# KiCad board Floppy Board v3.1.kicad_pcb (continued)
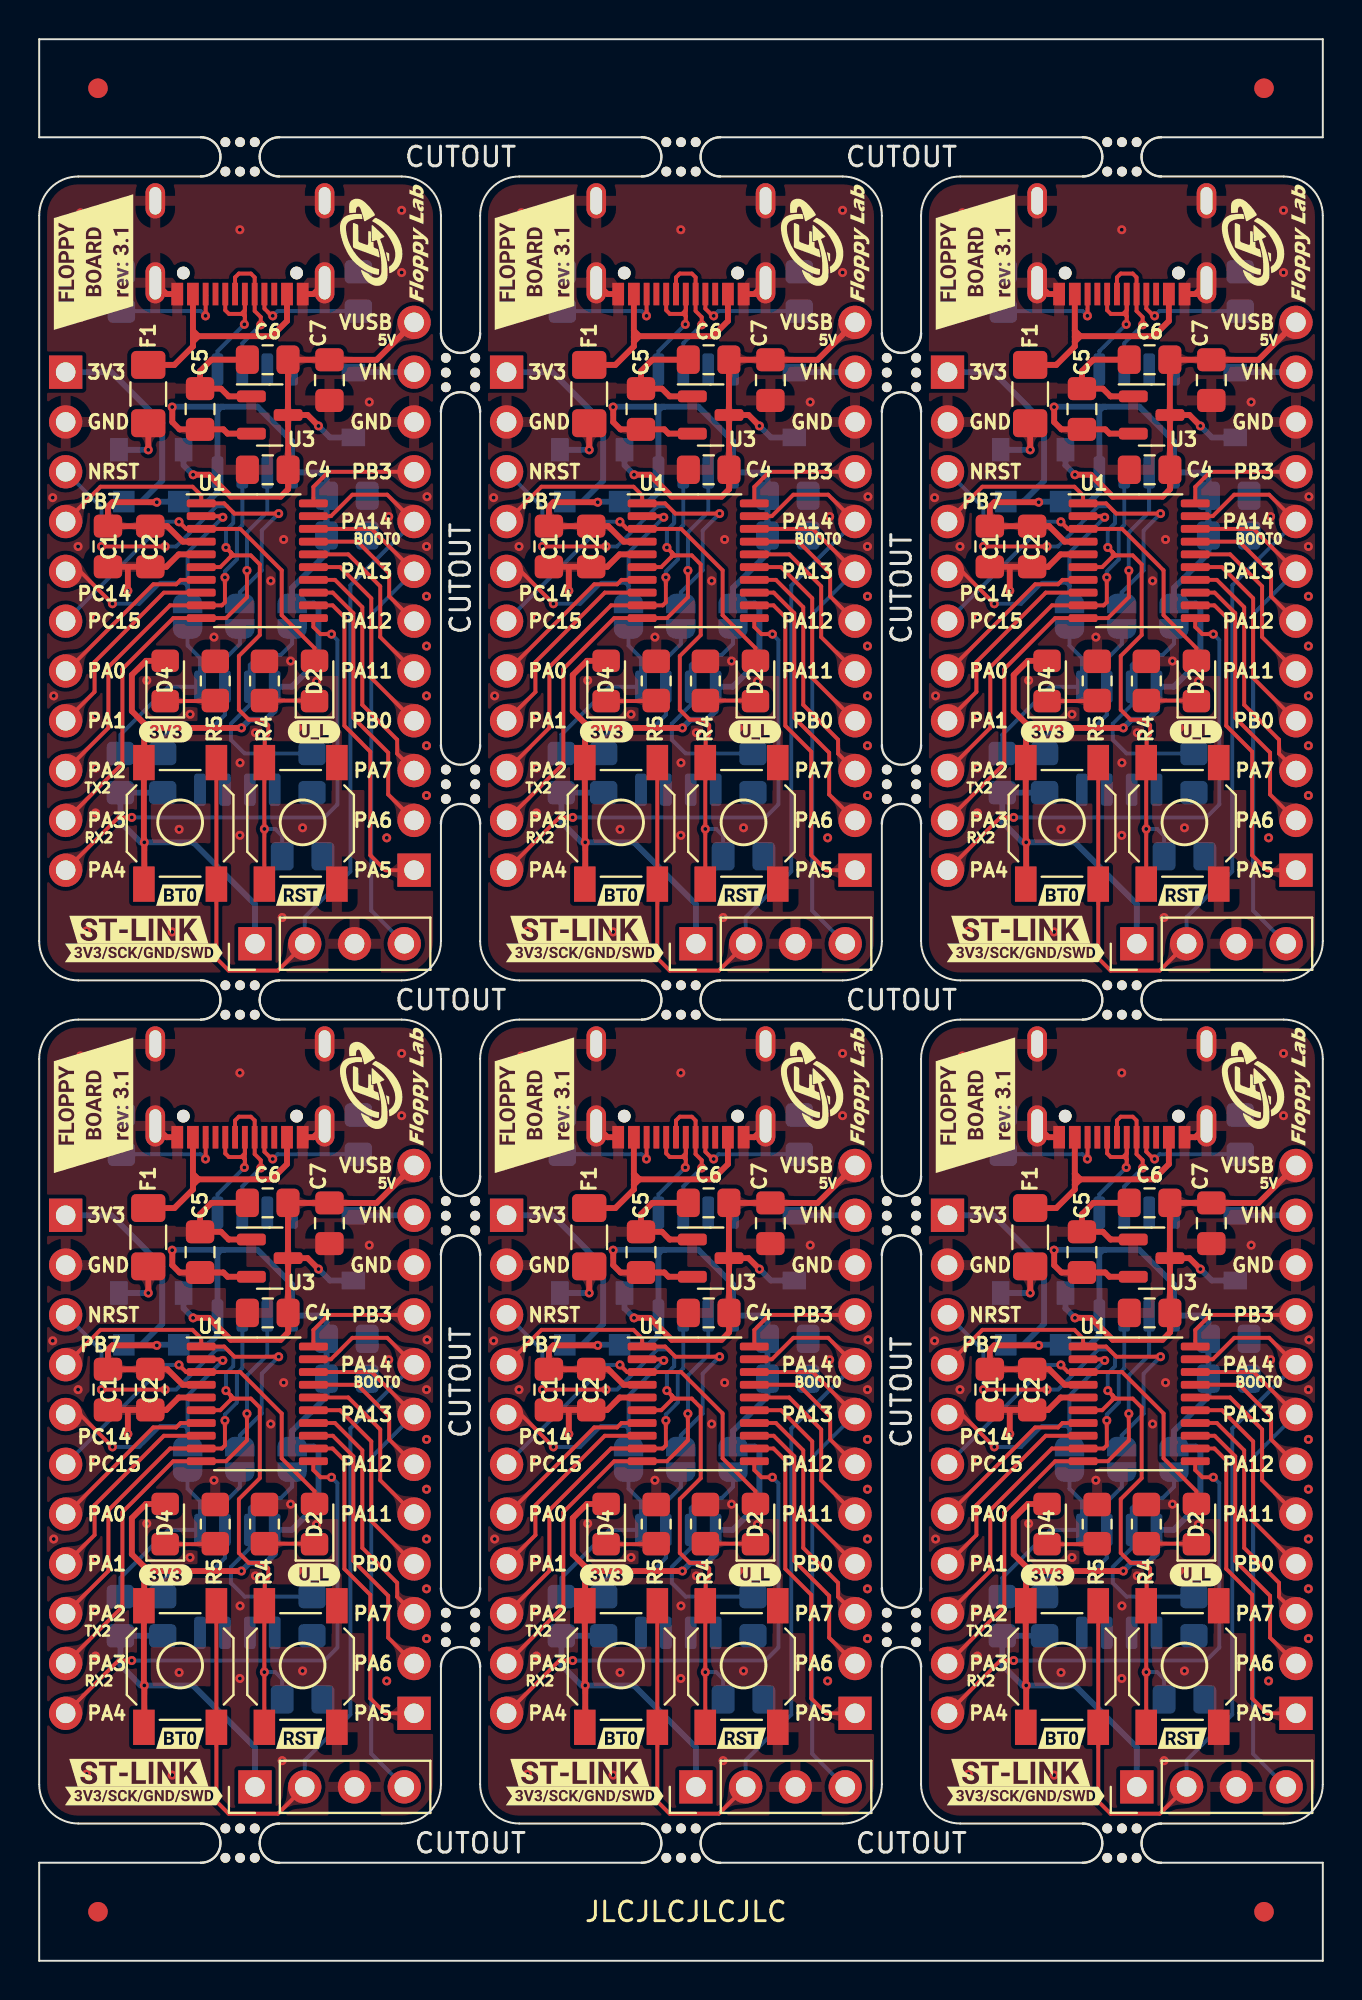
[diagram p0: board, top side]
## Placement (name value [footprint] x y rotation side) (continued)
R1#6  10k  [R_0805_2012Metric_Pad1.20x1.40mm_HandSolder]  58.92 17.57 270 bottom
R2  5.1k  [R_0805_2012Metric_Pad1.20x1.40mm_HandSolder]  4.14 60.57 270 bottom
R2#2  5.1k  [R_0805_2012Metric_Pad1.20x1.40mm_HandSolder]  4.14 17.57 270 bottom
R2#3  5.1k  [R_0805_2012Metric_Pad1.20x1.40mm_HandSolder]  49.14 60.57 270 bottom
R2#4  5.1k  [R_0805_2012Metric_Pad1.20x1.40mm_HandSolder]  49.14 17.57 270 bottom
R2#5  5.1k  [R_0805_2012Metric_Pad1.20x1.40mm_HandSolder]  26.64 60.57 270 bottom
R2#6  5.1k  [R_0805_2012Metric_Pad1.20x1.40mm_HandSolder]  26.64 17.57 270 bottom
R3  5.1k  [R_0805_2012Metric_Pad1.20x1.40mm_HandSolder]  28.8 17.57 90 bottom
R3#2  5.1k  [R_0805_2012Metric_Pad1.20x1.40mm_HandSolder]  6.3 17.57 90 bottom
R3#3  5.1k  [R_0805_2012Metric_Pad1.20x1.40mm_HandSolder]  6.3 60.57 90 bottom
R3#4  5.1k  [R_0805_2012Metric_Pad1.20x1.40mm_HandSolder]  51.3 60.57 90 bottom
R3#5  5.1k  [R_0805_2012Metric_Pad1.20x1.40mm_HandSolder]  28.8 60.57 90 bottom
R3#6  5.1k  [R_0805_2012Metric_Pad1.20x1.40mm_HandSolder]  51.3 17.57 90 bottom
R4  1K  [R_0805_2012Metric_Pad1.20x1.40mm_HandSolder]  56.49 65.27 90 top
R4#2  1K  [R_0805_2012Metric_Pad1.20x1.40mm_HandSolder]  56.49 22.27 90 top
R4#3  1K  [R_0805_2012Metric_Pad1.20x1.40mm_HandSolder]  33.99 65.27 90 top
R4#4  1K  [R_0805_2012Metric_Pad1.20x1.40mm_HandSolder]  33.99 22.27 90 top
R4#5  1K  [R_0805_2012Metric_Pad1.20x1.40mm_HandSolder]  11.5 22.27 90 top
R4#6  1K  [R_0805_2012Metric_Pad1.20x1.40mm_HandSolder]  11.5 65.27 90 top
R5  1k  [R_0805_2012Metric_Pad1.20x1.40mm_HandSolder]  8.98 22.27 270 top
R5#2  1k  [R_0805_2012Metric_Pad1.20x1.40mm_HandSolder]  53.98 65.27 270 top
R5#3  1k  [R_0805_2012Metric_Pad1.20x1.40mm_HandSolder]  31.48 22.27 270 top
R5#4  1k  [R_0805_2012Metric_Pad1.20x1.40mm_HandSolder]  8.98 65.27 270 top
R5#5  1k  [R_0805_2012Metric_Pad1.20x1.40mm_HandSolder]  53.98 22.27 270 top
R5#6  1k  [R_0805_2012Metric_Pad1.20x1.40mm_HandSolder]  31.48 65.27 270 top
R6  5.1k  [R_0805_2012Metric_Pad1.20x1.40mm_HandSolder]  26.69 42.13 270 bottom
R6#2  5.1k  [R_0805_2012Metric_Pad1.20x1.40mm_HandSolder]  49.19 85.13 270 bottom
R6#3  5.1k  [R_0805_2012Metric_Pad1.20x1.40mm_HandSolder]  26.69 85.13 270 bottom
R6#4  5.1k  [R_0805_2012Metric_Pad1.20x1.40mm_HandSolder]  4.19 85.13 270 bottom
R6#5  5.1k  [R_0805_2012Metric_Pad1.20x1.40mm_HandSolder]  49.19 42.13 270 bottom
R6#6  5.1k  [R_0805_2012Metric_Pad1.20x1.40mm_HandSolder]  4.19 42.13 270 bottom
R7  5.1k  [R_0805_2012Metric_Pad1.20x1.40mm_HandSolder]  61.29 42.13 90 bottom
R7#2  5.1k  [R_0805_2012Metric_Pad1.20x1.40mm_HandSolder]  16.29 85.13 90 bottom
R7#3  5.1k  [R_0805_2012Metric_Pad1.20x1.40mm_HandSolder]  38.79 42.13 90 bottom
R7#4  5.1k  [R_0805_2012Metric_Pad1.20x1.40mm_HandSolder]  16.29 42.13 90 bottom
R7#5  5.1k  [R_0805_2012Metric_Pad1.20x1.40mm_HandSolder]  61.29 85.13 90 bottom
R7#6  5.1k  [R_0805_2012Metric_Pad1.20x1.40mm_HandSolder]  38.79 85.13 90 bottom
REF**  -  [Fiducial_1mm_Mask2mm]  3 95.5 0 top
REF**#2  -  [Fiducial_1mm_Mask2mm]  62.5 2.5 0 top
REF**#3  -  [Fiducial_1mm_Mask2mm]  62.5 95.5 0 top
REF**#4  -  [Fiducial_1mm_Mask2mm]  3 2.5 0 top
SW1  RESET_B  [SMD BUTTON 5.1x5.1]  58.34 15.01 270 top
SW1#2  RESET_B  [SMD BUTTON 5.1x5.1]  58.34 58.01 270 top
SW1#3  RESET_B  [SMD BUTTON 5.1x5.1]  13.34 58.01 270 top
SW1#4  RESET_B  [SMD BUTTON 5.1x5.1]  35.84 58.01 270 top
SW1#5  RESET_B  [SMD BUTTON 5.1x5.1]  13.34 15.01 270 top
SW1#6  RESET_B  [SMD BUTTON 5.1x5.1]  35.84 15.01 270 top
SW2  BOOT0/U_BUTT  [SMD BUTTON 5.1x5.1]  52.19 58.01 90 top
SW2#2  BOOT0/U_BUTT  [SMD BUTTON 5.1x5.1]  29.69 15.01 90 top
SW2#3  BOOT0/U_BUTT  [SMD BUTTON 5.1x5.1]  29.69 58.01 90 top
SW2#4  BOOT0/U_BUTT  [SMD BUTTON 5.1x5.1]  52.19 15.01 90 top
SW2#5  BOOT0/U_BUTT  [SMD BUTTON 5.1x5.1]  7.19 58.01 90 top
SW2#6  BOOT0/U_BUTT  [SMD BUTTON 5.1x5.1]  7.19 15.01 90 top
U1  STM32G03xxxxx  [TSSOP-20_4.4x6.5mm_P0.65mm]  56.13 28.4 0 top
U1#2  STM32G03xxxxx  [TSSOP-20_4.4x6.5mm_P0.65mm]  33.63 28.4 0 top
U1#3  STM32G03xxxxx  [TSSOP-20_4.4x6.5mm_P0.65mm]  33.63 71.4 0 top
U1#4  STM32G03xxxxx  [TSSOP-20_4.4x6.5mm_P0.65mm]  56.13 71.4 0 top
U1#5  STM32G03xxxxx  [TSSOP-20_4.4x6.5mm_P0.65mm]  11.13 28.4 0 top
U1#6  STM32G03xxxxx  [TSSOP-20_4.4x6.5mm_P0.65mm]  11.13 71.4 0 top
U2  AT24C32  [SOP-8_3.9x4.9mm_P1.27mm]  10.11 62.35 90 bottom
U2#2  AT24C32  [SOP-8_3.9x4.9mm_P1.27mm]  55.11 62.35 90 bottom
U2#3  AT24C32  [SOP-8_3.9x4.9mm_P1.27mm]  55.11 19.35 90 bottom
U2#4  AT24C32  [SOP-8_3.9x4.9mm_P1.27mm]  10.11 19.35 90 bottom
U2#5  AT24C32  [SOP-8_3.9x4.9mm_P1.27mm]  32.61 62.35 90 bottom
U2#6  AT24C32  [SOP-8_3.9x4.9mm_P1.27mm]  32.61 19.35 90 bottom
U3  H7233-1  [SOT-23]  34.26 35.84 0 top
U3#2  H7233-1  [SOT-23]  56.76 78.84 0 top
U3#3  H7233-1  [SOT-23]  34.26 78.84 0 top
U3#4  H7233-1  [SOT-23]  56.76 35.84 0 top
U3#5  H7233-1  [SOT-23]  11.76 78.84 0 top
U3#6  H7233-1  [SOT-23]  11.76 35.84 0 top
U4  CH340N  [SOP-8_3.9x4.9mm_P1.27mm]  33.5 78.53 270 bottom
U4#2  CH340N  [SOP-8_3.9x4.9mm_P1.27mm]  56 78.53 270 bottom
U4#3  CH340N  [SOP-8_3.9x4.9mm_P1.27mm]  56 35.53 270 bottom
U4#4  CH340N  [SOP-8_3.9x4.9mm_P1.27mm]  33.5 35.53 270 bottom
U4#5  CH340N  [SOP-8_3.9x4.9mm_P1.27mm]  11 35.53 270 bottom
U4#6  CH340N  [SOP-8_3.9x4.9mm_P1.27mm]  11 78.53 270 bottom

## Library data of the parts
J2 J2#2-J2#6 = -: Field4: product edge

## Footprints (pads in the part's own frame, mm; a bottom-side part is the same pattern mirrored in y, then rotated)
C_0805_2012Metric_Pad1.18x1.45mm_HandSolder
  rrect 1.175x1.45 smd: 1(-1.038,0) 2(1.038,0)
D_SOD-123
  rect 0.9x1.2 smd: 1(-1.65,0) 2(1.65,0)
D_SOD-123F
  rect 1.1x1.1 smd: 1(-1.4,0) 2(1.4,0)
Fiducial_1mm_Mask2mm
  round 1 smd: (0,0)
Fuse_1206_3216Metric_Pad1.42x1.75mm_HandSolder
  rrect 1.425x1.75 smd: 1(-1.488,0) 2(1.488,0)
LED_0805_2012Metric_Pad1.15x1.40mm_HandSolder
  rrect 1.15x1.4 smd: 1(-1.025,0) 2(1.025,0)
mouse-bite-2mm-slot
  round 0.5 hole 0.5 unplated: (-0.75,0.75) (-0.75,-0.75) (0,0.75) (0,-0.75) (0.75,0.75) (0.75,-0.75)
PinHeader_1x04_P2.54mm_Vertical
  rect 1.7x1.7 hole 1: 1(0,0)
  oval 1.7x1.7 hole 1: 2(0,-2.54) 3(0,-5.08) 4(0,-7.62)
PinHeader_1x11_P2.54mm_Vertical
  rect 1.7x1.7 hole 1: 1(0,0)
  oval 1.7x1.7 hole 1: 2(0,-2.54) 3(0,-5.08) 4(0,-7.62) 5(0,-10.16) 6(0,-12.7) 7(0,-15.24) 8(0,-17.78) 9(0,-20.32) 10(0,-22.86) 11(0,-25.4)
PinHeader_1x12_P2.54mm_Vertical
  rect 1.7x1.7 hole 1: 1(0,0)
  oval 1.7x1.7 hole 1: 2(0,-2.54) 3(0,-5.08) 4(0,-7.62) 5(0,-10.16) 6(0,-12.7) 7(0,-15.24) 8(0,-17.78) 9(0,-20.32) 10(0,-22.86) 11(0,-25.4) 12(0,-27.94)
R_0805_2012Metric_Pad1.20x1.40mm_HandSolder
  rrect 1.2x1.4 smd: 1(-1,0) 2(1,0)
SMD BUTTON 5.1x5.1
  rect 1.8x1.1 smd: 1(-3.1,1.85) 1(3.1,1.85) 2(-3.1,-1.85) 2(3.1,-1.85)
SolderJumper-2_P1.3mm_Open_RoundedPad1.0x1.5mm
  custom 1x1.5 smd: 1(-0.65,0) 2(0.65,0)
SOP-8_3.9x4.9mm_P1.27mm
  rrect 1.65x0.6 smd: 1(-2.625,1.905) 2(-2.625,0.635) 3(-2.625,-0.635) 4(-2.625,-1.905) 5(2.625,-1.905) 6(2.625,-0.635) 7(2.625,0.635) 8(2.625,1.905)
SOT-23
  rrect 1.475x0.6 smd: 1(-0.938,0.95) 2(-0.938,-0.95) 3(0.938,0)
TSSOP-20_4.4x6.5mm_P0.65mm
  rrect 1.475x0.4 smd: 1(-2.862,2.925) 2(-2.862,2.275) 3(-2.862,1.625) 4(-2.862,0.975) 5(-2.862,0.325) 6(-2.862,-0.325) 7(-2.862,-0.975) 8(-2.862,-1.625) 9(-2.862,-2.275) 10(-2.862,-2.925) 11(2.862,-2.925) 12(2.862,-2.275) 13(2.862,-1.625) 14(2.862,-0.975) 15(2.862,-0.325) 16(2.862,0.325) 17(2.862,0.975) 18(2.862,1.625) 19(2.862,2.275) 20(2.862,2.925)
USB_C_304A-ACP16X
  round 0.65 hole 0.65 unplated: (-2.89,3.68) (2.89,3.68)
  rect 0.6x1.15 smd: 1(-3.2,4.755) 2(-2.4,4.755) 11(2.4,4.755) 12(3.2,4.755)
  rect 0.3x1.15 smd: 3(-1.75,4.755) 4(-1.25,4.755) 5(-0.75,4.755) 6(-0.25,4.755) 7(0.25,4.755) 8(0.75,4.755) 9(1.25,4.755) 10(1.75,4.755)
  oval 1x2.1 hole 0.6x1.7: 13(-4.32,4.18) 13(4.32,4.18)
  oval 1x1.8 hole 0.6x1.4: 13(-4.32,0) 13(4.32,0)

## Nets
+3V3: C1.1 C1#2.1 C1#3.1 C1#4.1 C1#5.1 C1#6.1 C2.1 C2#2.1 C2#3.1 C2#4.1 C2#5.1 C2#6.1 C5.1 C5#2.1 C5#3.1 C5#4.1 C5#5.1 C5#6.1 C8.1 C8#2.1 C8#3.1 C8#4.1 C8#5.1 C8#6.1 C9.1 C9#2.1 C9#3.1 C9#4.1 C9#5.1 C9#6.1 D3.2 D3#2.2 D3#3.2 D3#4.2 D3#5.2 D3#6.2 D4.2 D4#2.2 D4#3.2 D4#4.2 D4#5.2 D4#6.2 J1.1 J1#2.1 J1#3.1 J1#4.1 J1#5.1 J1#6.1 JP3.2 JP3#2.2 JP3#3.2 JP3#4.2 JP3#5.2 JP3#6.2 R2.2 R2#2.2 R2#3.2 R2#4.2 R2#5.2 R2#6.2 R3.1 R3#2.1 R3#3.1 R3#4.1 R3#5.1 R3#6.1 SW2.1 SW2#2.1 SW2#3.1 SW2#4.1 SW2#5.1 SW2#6.1 U1.4 U1#2.4 U1#3.4 U1#4.4 U1#5.4 U1#6.4 U2.8 U2#2.8 U2#3.8 U2#4.8 U2#5.8 U2#6.8 U3.2 U3#2.2 U3#3.2 U3#4.2 U3#5.2 U3#6.2 U4.5 U4.8 U4#2.5 U4#2.8 U4#3.5 U4#3.8 U4#4.5 U4#4.8 U4#5.5 U4#5.8 U4#6.5 U4#6.8
/VBUS_FUSED: D5.2 D5#2.2 D5#3.2 D5#4.2 D5#5.2 D5#6.2 F1.2 F1#2.2 F1#3.2 F1#4.2 F1#5.2 F1#6.2
GND: C1.2 C1#2.2 C1#3.2 C1#4.2 C1#5.2 C1#6.2 C2.2 C2#2.2 C2#3.2 C2#4.2 C2#5.2 C2#6.2 C3.2 C3#2.2 C3#3.2 C3#4.2 C3#5.2 C3#6.2 C4.2 C4#2.2 C4#3.2 C4#4.2 C4#5.2 C4#6.2 C5.2 C5#2.2 C5#3.2 C5#4.2 C5#5.2 C5#6.2 C6.2 C6#2.2 C6#3.2 C6#4.2 C6#5.2 C6#6.2 C7.2 C7#2.2 C7#3.2 C7#4.2 C7#5.2 C7#6.2 C8.2 C8#2.2 C8#3.2 C8#4.2 C8#5.2 C8#6.2 C9.2 C9#2.2 C9#3.2 C9#4.2 C9#5.2 C9#6.2 J1.3 J1#2.3 J1#3.3 J1#4.3 J1#5.3 J1#6.3 J2.1 J2.12 J2.13 J2#2.1 J2#2.12 J2#2.13 J2#3.1 J2#3.12 J2#3.13 J2#4.1 J2#4.12 J2#4.13 J2#5.1 J2#5.12 J2#5.13 J2#6.1 J2#6.12 J2#6.13 J3.2 J3#2.2 J3#3.2 J3#4.2 J3#5.2 J3#6.2 J4.10 J4#2.10 J4#3.10 J4#4.10 J4#5.10 J4#6.10 R1.2 R1#2.2 R1#3.2 R1#4.2 R1#5.2 R1#6.2 R4.2 R4#2.2 R4#3.2 R4#4.2 R4#5.2 R4#6.2 R5.1 R5#2.1 R5#3.1 R5#4.1 R5#5.1 R5#6.1 R6.1 R6#2.1 R6#3.1 R6#4.1 R6#5.1 R6#6.1 R7.2 R7#2.2 R7#3.2 R7#4.2 R7#5.2 R7#6.2 SW1.1 SW1#2.1 SW1#3.1 SW1#4.1 SW1#5.1 SW1#6.1 U1.5 U1#2.5 U1#3.5 U1#4.5 U1#5.5 U1#6.5 U2.1 U2.2 U2.3 U2.4 U2#2.1 U2#2.2 U2#2.3 U2#2.4 U2#3.1 U2#3.2 U2#3.3 U2#3.4 U2#4.1 U2#4.2 U2#4.3 U2#4.4 U2#5.1 U2#5.2 U2#5.3 U2#5.4 U2#6.1 U2#6.2 U2#6.3 U2#6.4 U3.1 U3#2.1 U3#3.1 U3#4.1 U3#5.1 U3#6.1 U4.3 U4#2.3 U4#3.3 U4#4.3 U4#5.3 U4#6.3
VBUS: C4.1 C4#2.1 C4#3.1 C4#4.1 C4#5.1 C4#6.1 C6.1 C6#2.1 C6#3.1 C6#4.1 C6#5.1 C6#6.1 C7.1 C7#2.1 C7#3.1 C7#4.1 C7#5.1 C7#6.1 D1.1 D1#2.1 D1#3.1 D1#4.1 D1#5.1 D1#6.1 D5.1 D5#2.1 D5#3.1 D5#4.1 D5#5.1 D5#6.1 J4.12 J4#2.12 J4#3.12 J4#4.12 J4#5.12 J4#6.12 U3.3 U3#2.3 U3#3.3 U3#4.3 U3#5.3 U3#6.3
VCC: D1.2 D1#2.2 D1#3.2 D1#4.2 D1#5.2 D1#6.2 J4.11 J4#2.11 J4#3.11 J4#4.11 J4#5.11 J4#6.11
VDD: D3.1 D3#2.1 D3#3.1 D3#4.1 D3#5.1 D3#6.1 J3.1 J3#2.1 J3#3.1 J3#4.1 J3#5.1 J3#6.1
/D+: J2.6 J2.8 J2#2.6 J2#2.8 J2#3.6 J2#3.8 J2#4.6 J2#4.8 J2#5.6 J2#5.8 J2#6.6 J2#6.8 U4.1 U4#2.1 U4#3.1 U4#4.1 U4#5.1 U4#6.1
/D-: J2.5 J2.7 J2#2.5 J2#2.7 J2#3.5 J2#3.7 J2#4.5 J2#4.7 J2#5.5 J2#5.7 J2#6.5 J2#6.7 U4.2 U4#2.2 U4#3.2 U4#4.2 U4#5.2 U4#6.2
/VUSB: F1.1 F1#2.1 F1#3.1 F1#4.1 F1#5.1 F1#6.1 J2.2 J2.11 J2#2.2 J2#2.11 J2#3.2 J2#3.11 J2#4.2 J2#4.11 J2#5.2 J2#5.11 J2#6.2 J2#6.11
/WP: JP3.1 JP3#2.1 JP3#3.1 JP3#4.1 JP3#5.1 JP3#6.1 R1.1 R1#2.1 R1#3.1 R1#4.1 R1#5.1 R1#6.1 U2.7 U2#2.7 U2#3.7 U2#4.7 U2#5.7 U2#6.7
NRST: C3.1 C3#2.1 C3#3.1 C3#4.1 C3#5.1 C3#6.1 J3.3 J3#2.3 J3#3.3 J3#4.3 J3#5.3 J3#6.3 SW1.2 SW1#2.2 SW1#3.2 SW1#4.2 SW1#5.2 SW1#6.2 U1.6 U1#2.6 U1#3.6 U1#4.6 U1#5.6 U1#6.6
PA0: J3.7 J3#2.7 J3#3.7 J3#4.7 J3#5.7 J3#6.7 U1.7 U1#2.7 U1#3.7 U1#4.7 U1#5.7 U1#6.7
PA1: J3.8 J3#2.8 J3#3.8 J3#4.8 J3#5.8 J3#6.8 U1.8 U1#2.8 U1#3.8 U1#4.8 U1#5.8 U1#6.8
PA2/TX2: J3.9 J3#2.9 J3#3.9 J3#4.9 J3#5.9 J3#6.9 U1.9 U1#2.9 U1#3.9 U1#4.9 U1#5.9 U1#6.9 U4.7 U4#2.7 U4#3.7 U4#4.7 U4#5.7 U4#6.7
PA3/RX2: J3.10 J3#2.10 J3#3.10 J3#4.10 J3#5.10 J3#6.10 U1.10 U1#2.10 U1#3.10 U1#4.10 U1#5.10 U1#6.10 U4.6 U4#2.6 U4#3.6 U4#4.6 U4#5.6 U4#6.6
PA4: J3.11 J3#2.11 J3#3.11 J3#4.11 J3#5.11 J3#6.11 U1.11 U1#2.11 U1#3.11 U1#4.11 U1#5.11 U1#6.11
PA5: J4.1 J4#2.1 J4#3.1 J4#4.1 J4#5.1 J4#6.1 U1.12 U1#2.12 U1#3.12 U1#4.12 U1#5.12 U1#6.12
PA6: J4.2 J4#2.2 J4#3.2 J4#4.2 J4#5.2 J4#6.2 U1.13 U1#2.13 U1#3.13 U1#4.13 U1#5.13 U1#6.13
PA7: J4.3 J4#2.3 J4#3.3 J4#4.3 J4#5.3 J4#6.3 U1.14 U1#2.14 U1#3.14 U1#4.14 U1#5.14 U1#6.14
PA11: J4.5 J4#2.5 J4#3.5 J4#4.5 J4#5.5 J4#6.5 U1.16 U1#2.16 U1#3.16 U1#4.16 U1#5.16 U1#6.16
PA12: J4.6 J4#2.6 J4#3.6 J4#4.6 J4#5.6 J4#6.6 U1.17 U1#2.17 U1#3.17 U1#4.17 U1#5.17 U1#6.17
PA13/SWDIO: J1.4 J1#2.4 J1#3.4 J1#4.4 J1#5.4 J1#6.4 J4.7 J4#2.7 J4#3.7 J4#4.7 J4#5.7 J4#6.7 U1.18 U1#2.18 U1#3.18 U1#4.18 U1#5.18 U1#6.18
PA14/SWCLK/BOOT0: J1.2 J1#2.2 J1#3.2 J1#4.2 J1#5.2 J1#6.2 J4.8 J4#2.8 J4#3.8 J4#4.8 J4#5.8 J4#6.8 SW2.2 SW2#2.2 SW2#3.2 SW2#4.2 SW2#5.2 SW2#6.2 U1.19 U1#2.19 U1#3.19 U1#4.19 U1#5.19 U1#6.19
PB0: J4.4 J4#2.4 J4#3.4 J4#4.4 J4#5.4 J4#6.4 U1.15 U1#2.15 U1#3.15 U1#4.15 U1#5.15 U1#6.15
PB3: J4.9 J4#2.9 J4#3.9 J4#4.9 J4#5.9 J4#6.9 U1.20 U1#2.20 U1#3.20 U1#4.20 U1#5.20 U1#6.20
PB7: J3.4 J3#2.4 J3#3.4 J3#4.4 J3#5.4 J3#6.4 JP2.2 JP2#2.2 JP2#3.2 JP2#4.2 JP2#5.2 JP2#6.2 U1.1 U1#2.1 U1#3.1 U1#4.1 U1#5.1 U1#6.1
PC14: J3.5 J3#2.5 J3#3.5 J3#4.5 J3#5.5 J3#6.5 JP1.2 JP1#2.2 JP1#3.2 JP1#4.2 JP1#5.2 JP1#6.2 U1.2 U1#2.2 U1#3.2 U1#4.2 U1#5.2 U1#6.2
PC15: D2.2 D2#2.2 D2#3.2 D2#4.2 D2#5.2 D2#6.2 J3.6 J3#2.6 J3#3.6 J3#4.6 J3#5.6 J3#6.6 U1.3 U1#2.3 U1#3.3 U1#4.3 U1#5.3 U1#6.3
Net-(D2-Pad1): D2.1 D2#2.1 D2#3.1 D2#4.1 D2#5.1 D2#6.1 R4.1 R4#2.1 R4#3.1 R4#4.1 R4#5.1 R4#6.1
Net-(D4-Pad1): D4.1 D4#2.1 D4#3.1 D4#4.1 D4#5.1 D4#6.1 R5.2 R5#2.2 R5#3.2 R5#4.2 R5#5.2 R5#6.2
Net-(J2-Pad4): J2.4 J2#2.4 J2#3.4 J2#4.4 J2#5.4 J2#6.4 R7.1 R7#2.1 R7#3.1 R7#4.1 R7#5.1 R7#6.1
Net-(J2-Pad10): J2.10 J2#2.10 J2#3.10 J2#4.10 J2#5.10 J2#6.10 R6.2 R6#2.2 R6#3.2 R6#4.2 R6#5.2 R6#6.2
Net-(JP1-Pad1): JP1.1 JP1#2.1 JP1#3.1 JP1#4.1 JP1#5.1 JP1#6.1 R2.1 R2#2.1 R2#3.1 R2#4.1 R2#5.1 R2#6.1 U2.5 U2#2.5 U2#3.5 U2#4.5 U2#5.5 U2#6.5
Net-(JP2-Pad1): JP2.1 JP2#2.1 JP2#3.1 JP2#4.1 JP2#5.1 JP2#6.1 R3.2 R3#2.2 R3#3.2 R3#4.2 R3#5.2 R3#6.2 U2.6 U2#2.6 U2#3.6 U2#4.6 U2#5.6 U2#6.6

Pads without a net: J2 3 9; J2#2 3 9; J2#3 3 9; J2#4 3 9; J2#5 3 9; J2#6 3 9; U4 4; U4#2 4; U4#3 4; U4#4 4; U4#5 4; U4#6 4

## Via types
v1: diameter 0.46, hole 0.2, Top to Bottom, 372 vias

## Routing (per net, layer and track width the routed paths; a pad name or vN(x,y) marks a point on that pad's centre or on a via; arc(x,y) is an arc through that point)
+3V3: length 495.6
  Top w0.3: v1(29.29,36.24) 29.29,36.24 29.29,35.47 29.66,35.1 C5#5.1 31.9,35.1 32.12,34.89 U3.2 ; U3#6.2 9.62,34.89 9.4,35.1 C5#6.1 7.16,35.1 6.79,35.47 6.79,36.24 v1(6.79,36.24) ; v1(51,74.39) 48.73,74.39 48.51,74.16 C1#2.1 C2.1 51.54,73.17 52.33,72.38 U1#4.4 ; v1(51.79,79.24) 51.79,79.24 51.79,78.47 52.16,78.1 C5#2.1 54.4,78.1 54.62,77.89 U3#2.2 ; 5.36,19.94 5.42,19.88 5.6,19.88 ; 5.36,19.94 5.36,20.1 ; 5.36,19.94 5.36,19.61 ; 5.6,62.86 5.6,62.86 5.36,63.1 ; 5.6,62.86 5.6,62.88 ; 5.6,62.86 5.36,62.61 ; v1(55.32,19.88) 50.6,19.88 ; 50.6,19.88 50.6,19.86 ; 50.6,19.88 50.58,19.88 ; 50.6,19.88 50.42,19.88 50.36,19.94 ; 27.86,20.1 27.23,20.73 27.23,22.58 27.95,23.3 D4#2.2 ; 27.86,20.1 28.1,19.86 28.1,19.86 ; 27.86,20.1 27.86,19.94 ; 5.36,20.1 5.6,19.86 5.6,19.86 ; 5.36,20.1 4.73,20.73 4.73,22.58 5.45,23.3 D4#5.2 ; 50.6,19.86 50.6,19.86 50.36,20.1 ; 50.6,19.86 50.36,19.61 ; SW2#2.1 27.86,11.93 v1(27.86,14.04) 27.84,14.06 SW2#2.1 27.86,18.12 27.86,19.61 ; D4#4.2 50.45,23.3 49.73,22.58 49.73,20.73 50.36,20.1 ; SW2.1 50.36,54.93 v1(50.36,57.04) 50.34,57.06 SW2.1 50.36,61.12 50.36,62.61 ; SW2#6.1 5.36,11.93 v1(5.36,14.04) 5.34,14.06 SW2#6.1 5.36,18.12 5.36,19.61 ; SW2#5.1 5.36,54.93 v1(5.36,57.04) 5.34,57.06 SW2#5.1 5.36,61.12 5.36,62.61 ; D4#3.2 5.45,66.3 4.73,65.58 4.73,63.73 5.36,63.1 ; 5.36,63.1 5.36,62.94 ; 27.86,62.94 27.92,62.88 28.1,62.88 ; 27.86,62.94 27.86,62.61 ; 27.86,62.94 27.86,63.1 ; 50.36,62.94 50.42,62.88 50.6,62.88 ; 50.36,62.94 50.36,62.61 ; 50.36,62.94 50.36,63.1 ; v1(10.32,62.88) 5.6,62.88 ; 5.6,62.88 5.58,62.88 ; 5.6,62.88 5.42,62.88 5.36,62.94 ; 50.36,19.94 50.36,20.1 ; 50.36,19.94 50.36,19.61 ; 50.36,62.61 50.6,62.86 ; U1#6.4 7.33,72.38 6.54,73.17 C2#4.1 C1.1 3.51,74.16 3.73,74.39 v1(6,74.39) ; 5.6,19.88 5.6,19.86 ; 5.6,19.88 v1(10.32,19.88) ; 5.6,19.88 5.58,19.88 ; 5.6,19.86 5.36,19.61 ; 50.6,62.86 50.6,62.86 50.36,63.1 ; 50.6,62.86 50.6,62.88 ; 50.6,62.88 50.58,62.88 ; 50.6,62.88 v1(55.32,62.88) ; v1(51,31.39) 48.73,31.39 48.51,31.16 C1#4.1 C2#5.1 51.54,30.17 52.33,29.38 U1.4 ; U1#2.4 29.83,29.38 29.04,30.17 C2#2.1 C1#3.1 26.01,31.16 26.23,31.39 v1(28.5,31.39) ; v1(6,31.39) 3.73,31.39 3.51,31.16 C1#6.1 C2#6.1 6.54,30.17 7.33,29.38 U1#5.4 ; U3#3.2 32.12,77.89 31.9,78.1 C5.1 29.66,78.1 29.29,78.47 29.29,79.24 v1(29.29,79.24) ; 27.86,19.61 27.86,19.94 ; 27.86,19.61 28.1,19.86 ; 27.86,19.94 27.92,19.88 28.1,19.88 ; 5.36,62.94 5.36,62.61 ; 28.1,19.88 28.08,19.88 ; 28.1,19.88 v1(32.82,19.88) ; 28.1,19.88 28.1,19.86 ; 27.86,62.61 28.1,62.86 ; 27.86,62.61 27.86,61.12 SW2#3.1 27.84,57.06 v1(27.86,57.04) 27.86,54.93 SW2#3.1 ; v1(51.79,36.24) 51.79,36.24 51.79,35.47 52.16,35.1 C5#3.1 54.4,35.1 54.62,34.89 U3#4.2 ; 50.36,63.1 49.73,63.73 49.73,65.58 50.45,66.3 D4#6.2 ; v1(32.82,62.88) 28.1,62.88 ; 28.1,62.88 28.08,62.88 ; 28.1,62.88 28.1,62.86 ; D4.2 27.95,66.3 27.23,65.58 27.23,63.73 27.86,63.1 ; 28.1,62.86 28.1,62.86 27.86,63.1 ; 50.36,19.61 50.36,18.12 SW2#4.1 50.34,14.06 v1(50.36,14.04) 50.36,11.93 SW2#4.1 ; U3#5.2 9.62,77.89 9.4,78.1 C5#4.1 7.16,78.1 6.79,78.47 6.79,79.24 v1(6.79,79.24) ; v1(28.5,74.39) 26.23,74.39 26.01,74.16 C1#5.1 C2#3.1 29.04,73.17 29.83,72.38 U1#3.4
  Bottom w0.3: 31.6,36.06 U4#4.8 31.6,31.9 31.11,31.42 D3#2.2 28.53,31.42 v1(28.5,31.39) ; 31.6,36.06 31.41,36.26 31.38,36.26 ; 31.6,36.06 31.79,36.26 31.89,36.26 ; 31.6,36.06 31.6,36.24 31.61,36.26 ; v1(6.79,79.24) 6.8,79.26 8.88,79.26 ; 53.88,36.26 51.8,36.26 v1(51.79,36.24) ; 53.88,36.26 53.91,36.26 54.1,36.06 ; 53.88,36.26 54.11,36.26 ; 31.89,79.26 31.79,79.26 31.6,79.06 ; 31.89,79.26 31.61,79.26 ; 31.89,79.26 33.64,79.26 35.41,77.49 U4.5 36.84,75.91 37.16,75.58 C9#2.1 C8.1 37.16,71.78 35.41,70.02 JP3#3.2 36.51,69.22 36.75,68.98 36.75,66.34 35.39,64.98 U2#5.8 34.52,63.75 34.06,63.29 33.23,63.29 v1(32.82,62.88) ; 31.6,79.06 31.6,79.24 31.61,79.26 ; 31.6,79.06 31.41,79.26 31.38,79.26 ; 31.6,79.06 U4.8 31.6,74.9 31.11,74.42 D3#4.2 28.53,74.42 v1(28.5,74.39) ; 9.11,36.26 9.39,36.26 ; 9.11,36.26 9.1,36.24 9.1,36.06 ; 9.11,36.26 8.88,36.26 ; 9.39,36.26 9.29,36.26 9.1,36.06 ; 9.39,36.26 11.14,36.26 12.91,34.49 U4#5.5 14.34,32.91 14.66,32.58 C9#3.1 C8#5.1 14.66,28.78 12.91,27.02 JP3#2.2 14.01,26.22 14.25,25.98 14.25,23.34 12.89,21.98 U2#4.8 12.02,20.75 11.56,20.29 10.73,20.29 v1(10.32,19.88) ; v1(55.32,62.88) 55.73,63.29 56.56,63.29 57.02,63.75 U2#2.8 57.89,64.98 59.25,66.34 59.25,68.98 59.01,69.22 JP3#4.2 57.91,70.02 59.66,71.78 C8#4.1 C9#4.1 59.66,75.58 59.34,75.91 U4#2.5 57.91,77.49 56.14,79.26 54.39,79.26 ; 53.88,79.26 51.8,79.26 v1(51.79,79.24) ; 53.88,79.26 53.91,79.26 54.1,79.06 ; 53.88,79.26 54.11,79.26 ; J1#4.1 56.01,10.88 52.85,14.04 v1(50.36,14.04) 50.17,14.04 49.14,15.07 R2#4.2 R3#6.1 ; 31.61,79.26 31.38,79.26 ; 54.1,36.06 54.29,36.26 54.39,36.26 ; 54.1,36.06 54.1,36.24 54.11,36.26 ; 54.1,36.06 U4#3.8 54.1,31.9 53.61,31.42 D3#5.2 51.03,31.42 v1(51,31.39) ; J1#6.1 56.01,53.88 52.85,57.04 v1(50.36,57.04) 50.17,57.04 49.14,58.07 R2#3.2 R3#4.1 ; J1#2.1 33.51,53.88 30.35,57.04 v1(27.86,57.04) 27.67,57.04 26.64,58.07 R2#5.2 R3#5.1 ; J1.1 33.51,10.88 30.35,14.04 v1(27.86,14.04) 27.67,14.04 26.64,15.07 R2#6.2 R3.1 ; 54.11,79.26 54.1,79.24 54.1,79.06 ; 54.11,79.26 54.39,79.26 ; 54.39,36.26 56.14,36.26 57.91,34.49 U4#3.5 59.34,32.91 59.66,32.58 C9#5.1 C8#3.1 59.66,28.78 57.91,27.02 JP3.2 59.01,26.22 59.25,25.98 59.25,23.34 57.89,21.98 U2#3.8 57.02,20.75 56.56,20.29 55.73,20.29 v1(55.32,19.88) ; 54.39,36.26 54.11,36.26 ; 54.39,79.26 54.29,79.26 54.1,79.06 ; 9.1,36.06 U4#5.8 9.1,31.9 8.61,31.42 D3.2 6.03,31.42 v1(6,31.39) ; 9.1,36.06 8.91,36.26 8.88,36.26 ; v1(32.82,19.88) 33.23,20.29 34.06,20.29 34.52,20.75 U2#6.8 35.39,21.98 36.75,23.34 36.75,25.98 36.51,26.22 JP3#5.2 35.41,27.02 37.16,28.78 C8#6.1 C9.1 37.16,32.58 36.84,32.91 U4#4.5 35.41,34.49 33.64,36.26 31.89,36.26 ; R3#2.1 R2#2.2 4.14,15.07 5.17,14.04 v1(5.36,14.04) 7.85,14.04 11.01,10.88 J1#3.1 ; 31.89,36.26 31.61,36.26 ; 31.38,36.26 31.61,36.26 ; 31.38,36.26 29.3,36.26 v1(29.29,36.24) ; 9.11,79.26 9.1,79.24 9.1,79.06 ; 9.11,79.26 8.88,79.26 ; 9.11,79.26 9.39,79.26 ; 9.1,79.06 9.29,79.26 9.39,79.26 ; 9.1,79.06 8.91,79.26 8.88,79.26 ; 9.1,79.06 U4#6.8 9.1,74.9 8.61,74.42 D3#6.2 6.03,74.42 v1(6,74.39) ; 8.88,36.26 6.8,36.26 v1(6.79,36.24) ; 9.39,79.26 11.14,79.26 12.91,77.49 U4#6.5 14.34,75.91 14.66,75.58 C9#6.1 C8#2.1 14.66,71.78 12.91,70.02 JP3#6.2 14.01,69.22 14.25,68.98 14.25,66.34 12.89,64.98 U2.8 12.02,63.75 11.56,63.29 10.73,63.29 v1(10.32,62.88) ; 31.38,79.26 29.3,79.26 v1(29.29,79.24) ; v1(51,74.39) 51.03,74.42 D3#3.2 53.61,74.42 54.1,74.9 U4#2.8 54.1,79.06 ; R3#3.1 R2.2 4.14,58.07 5.17,57.04 v1(5.36,57.04) 7.85,57.04 11.01,53.88 J1#5.1
/VBUS_FUSED: length 17.1
  Top w0.3: F1#4.2 v1(5.57,34.06) ; F1#3.2 v1(50.57,77.06) ; F1.2 v1(50.57,34.06) ; F1#5.2 v1(5.57,77.06) ; F1#2.2 v1(28.07,34.06) ; F1#6.2 v1(28.07,77.06)
  Bottom w0.3: v1(50.57,34.06) D5#2.2 ; v1(5.57,77.06) D5#4.2 ; v1(28.07,77.06) D5#6.2 ; v1(5.57,34.06) D5#5.2 ; v1(28.07,34.06) D5#3.2 ; v1(50.57,77.06) D5.2
GND: length 91.7
  Top w0.3: C1#4.2 49.52,28.09 ; 49.52,28.09 C2#5.2 51.48,28.09 52.12,28.73 U1.5 ; 49.52,28.09 v1(49.52,26.87) ; J2#3.13 36.49,42 J2#3.1 ; J2.13 51.5,85 J2.12 ; J2#2.13 36.49,85 J2#2.1 ; J2#4.1 13.99,42 14.56,42.58 ; U1#4.5 52.12,71.73 51.48,71.09 C2.2 49.52,71.09 ; 14.56,85.58 13.99,85 J2#5.1 ; C6.2 31.29,38.65 30.71,38.07 C5#5.2 31.78,37.18 32.17,36.79 U3.1 ; U3#6.1 9.67,36.79 9.28,37.18 C5#6.2 8.21,38.07 8.79,38.65 C6#6.2 ; U3#4.1 54.67,36.79 54.28,37.18 C5#3.2 53.21,38.07 53.79,38.65 C6#4.2 ; J2#5.13 6.5,85 J2#5.12 ; U1#2.5 29.62,28.73 28.98,28.09 C2#2.2 27.02,28.09 ; J2#3.12 29,42 J2#3.13 ; J2#4.13 6.5,42 J2#4.12 ; U3#3.1 32.17,79.79 31.78,80.18 C5.2 30.71,81.07 31.29,81.66 C6#2.2 ; 4.53,71.09 C2#4.2 6.48,71.09 7.12,71.73 U1#6.5 ; 4.53,71.09 v1(4.53,69.87) ; 4.53,71.09 C1.2 ; U3#5.1 9.67,79.79 9.28,80.18 C5#4.2 8.21,81.07 8.79,81.66 C6#5.2 ; U1#3.5 29.62,71.73 28.98,71.09 C2#3.2 27.02,71.09 ; J2#6.12 51.5,42 J2#6.13 ; J2#2.12 29,85 J2#2.13 ; 49.52,71.09 v1(49.52,69.87) ; 49.52,71.09 C1#2.2 ; 27.02,28.09 v1(27.02,26.87) ; 27.02,28.09 C1#3.2 ; 4.53,28.09 v1(4.53,26.87) ; 4.53,28.09 C1#6.2 ; 4.53,28.09 C2#6.2 6.48,28.09 7.12,28.73 U1#5.5 ; J2.13 58.99,85 J2.1 ; 27.02,71.09 v1(27.02,69.87) ; 27.02,71.09 C1#5.2 ; C6#3.2 53.79,81.66 53.21,81.07 C5#2.2 54.28,80.18 54.67,79.79 U3#2.1 ; J2#6.1 58.99,42 J2#6.13
  vias: v1(0.69,74.62) v1(0.69,31.62) v1(0.74,64.51) v1(0.74,21.51) v1(1.98,72.13) v1(1.98,29.13) v1(2.11,89.15) v1(2.11,83.81) v1(2.11,46.15) v1(2.11,40.81) v1(2.42,52.52) v1(2.42,9.52) v1(2.9,68.5) v1(2.87,63.49) v1(2.87,60.83) v1(2.87,58.54) v1(2.9,25.5) v1(2.87,20.49) v1(2.87,17.83) v1(2.87,15.54) v1(5.49,65.3) v1(5.49,22.3) v1(6.79,52.47) v1(6.79,9.47) v1(7.14,57.7) v1(7.14,14.7) v1(7.7,63.57) v1(7.7,20.57) v1(8.92,67.51) v1(8.92,24.51) v1(10.24,88.28) v1(10.25,61.1) v1(10.24,57.4) v1(10.24,45.28) v1(10.25,18.1) v1(10.24,14.4) v1(11.04,62.63) v1(11.04,19.63) v1(11.81,70.38) v1(11.81,27.38) v1(12.4,53.21) v1(12.4,10.21) v1(12.48,72.49) v1(12.48,29.49) v1(12.83,66.29) v1(12.83,23.29) v1(13.19,62.88) v1(13.19,19.88) v1(13.44,57.78) v1(13.44,14.78) v1(14.15,65.25) v1(14.15,22.25) v1(16.84,79.5) v1(16.84,36.5) v1(17.73,57.27) v1(17.73,14.27) v1(17.83,73.65) v1(17.83,30.65) v1(18.5,89.27) v1(18.5,86.1) v1(18.5,46.27) v1(18.5,43.1) v1(19.79,74.67) v1(19.77,72.13) v1(19.77,69.59) v1(19.77,67.05) v1(19.77,64.51) v1(19.77,61.97) v1(19.77,59.43) v1(19.79,31.67) v1(19.77,29.13) v1(19.77,26.59) v1(19.77,24.05) v1(19.77,21.51) v1(19.77,18.97) v1(19.77,16.43) v1(23.19,74.62) v1(23.19,31.62) v1(23.24,64.51) v1(23.24,21.51) v1(24.48,72.13) v1(24.48,29.13) v1(24.61,89.15) v1(24.61,83.81) v1(24.61,46.15) v1(24.61,40.81) v1(24.92,52.52) v1(24.92,9.52) v1(25.4,68.5) v1(25.37,63.49) v1(25.37,60.83) v1(25.37,58.54) v1(25.4,25.5) v1(25.37,20.49) v1(25.37,17.83) v1(25.37,15.54) v1(27.99,65.3) v1(27.99,22.3) v1(29.29,52.47) v1(29.29,9.47) v1(29.64,57.7) v1(29.64,14.7) v1(30.2,63.57) v1(30.2,20.57) v1(31.42,67.51) v1(31.42,24.51) v1(32.74,88.28) v1(32.75,61.1) v1(32.74,57.4) v1(32.74,45.28) v1(32.75,18.1) v1(32.74,14.4) v1(33.54,62.63) v1(33.54,19.63) v1(34.31,70.38) v1(34.31,27.38) v1(34.9,53.21) v1(34.9,10.21) v1(34.98,72.49) v1(34.98,29.49) v1(35.33,66.29) v1(35.33,23.29) v1(35.69,62.88) v1(35.69,19.88) v1(35.94,57.78) v1(35.94,14.78) v1(36.65,65.25) v1(36.65,22.25) v1(39.34,79.5) v1(39.34,36.5) v1(40.23,57.27) v1(40.23,14.27) v1(40.33,73.65) v1(40.33,30.65) v1(40.99,89.27) v1(40.99,86.1) v1(40.99,46.27) v1(40.99,43.1) v1(42.29,74.67) v1(42.27,72.13) v1(42.27,69.59) v1(42.27,67.05) v1(42.27,64.51) v1(42.27,61.97) v1(42.27,59.43) v1(42.29,31.67) v1(42.27,29.13) v1(42.27,26.59) v1(42.27,24.05) v1(42.27,21.51) v1(42.27,18.97) v1(42.27,16.43) v1(45.69,74.62) v1(45.69,31.62) v1(45.74,64.51) v1(45.74,21.51) v1(46.98,72.13) v1(46.98,29.13) v1(47.11,89.15) v1(47.11,83.81) v1(47.11,46.15) v1(47.11,40.81) v1(47.42,52.52) v1(47.42,9.52) v1(47.9,68.5) v1(47.87,63.49) v1(47.87,60.83) v1(47.87,58.54) v1(47.9,25.5) v1(47.87,20.49) v1(47.87,17.83) v1(47.87,15.54) v1(50.49,65.3) v1(50.49,22.3) v1(51.79,52.47) v1(51.79,9.47) v1(52.14,57.7) v1(52.14,14.7) v1(52.7,63.57) v1(52.7,20.57) v1(53.92,67.51) v1(53.92,24.51) v1(55.24,88.28) v1(55.25,61.1) v1(55.24,57.4) v1(55.24,45.28) v1(55.25,18.1) v1(55.24,14.4) v1(56.04,62.63) v1(56.04,19.63) v1(56.81,70.38) v1(56.81,27.38) v1(57.4,53.21) v1(57.4,10.21) v1(57.48,72.49) v1(57.48,29.49) v1(57.83,66.29) v1(57.83,23.29) v1(58.19,62.88) v1(58.19,19.88) v1(58.44,57.78) v1(58.44,14.78) v1(59.15,65.25) v1(59.15,22.25) v1(61.84,79.5) v1(61.84,36.5) v1(62.73,57.27) v1(62.73,14.27) v1(62.83,73.65) v1(62.83,30.65) v1(63.49,89.27) v1(63.49,86.1) v1(63.49,46.27) v1(63.49,43.1) v1(64.79,74.67) v1(64.77,72.13) v1(64.77,69.59) v1(64.77,67.05) v1(64.77,64.51) v1(64.77,61.97) v1(64.77,59.43) v1(64.79,31.67) v1(64.77,29.13) v1(64.77,26.59) v1(64.77,24.05) v1(64.77,21.51) v1(64.77,18.97) v1(64.77,16.43)
VBUS: length 147.5
  Top w0.3: J4#5.12 62.22,81.65 C7#5.1 57.7,81.65 C6#3.1 57.7,78.84 U3#2.3 ; v1(52.85,75.79) 53.67,75.79 54.78,74.67 57.32,74.67 57.7,75.05 C4#3.1 57.7,76.04 U3#2.3 ; U3#2.3 58.69,78.84 v1(59.25,78.28) ; U3#4.3 57.7,35.84 C6#4.1 57.7,38.65 C7#2.1 62.22,38.65 J4#4.12 ; U3#4.3 57.7,33.04 C4#5.1 57.7,32.05 57.32,31.67 54.78,31.67 53.67,32.79 v1(52.85,32.79) ; U3#4.3 58.69,35.84 v1(59.25,35.28) ; U3#5.3 12.7,78.84 C6#5.1 12.7,81.65 C7#6.1 17.22,81.65 J4.12 ; U3#5.3 12.7,76.04 C4#4.1 12.7,75.05 12.32,74.67 9.78,74.67 8.67,75.79 v1(7.85,75.79) ; U3#5.3 13.69,78.84 v1(14.25,78.28) ; U3.3 35.2,35.84 C6.1 35.2,38.65 C7#4.1 39.72,38.65 J4#6.12 ; U3.3 35.2,33.04 C4.1 35.2,32.05 34.82,31.67 32.28,31.67 31.17,32.79 v1(30.35,32.79) ; U3.3 36.19,35.84 v1(36.75,35.28) ; v1(7.85,32.79) 8.67,32.79 9.78,31.67 12.32,31.67 12.7,32.05 C4#6.1 12.7,33.04 U3#6.3 ; U3#6.3 13.69,35.84 v1(14.25,35.28) ; U3#6.3 12.7,35.84 C6#6.1 12.7,38.65 C7#3.1 17.22,38.65 J4#2.12 ; v1(36.75,78.28) 36.19,78.84 U3#3.3 ; v1(30.35,75.79) 31.17,75.79 32.28,74.67 34.82,74.67 35.2,75.05 C4#2.1 35.2,76.04 U3#3.3 ; J4#3.12 39.72,81.65 C7.1 35.2,81.65 C6#2.1 35.2,78.84 U3#3.3
  Bottom w0.3: D5#5.1 7.37,33.27 v1(7.85,32.79) ; D1#4.1 14.84,34.69 v1(14.25,35.28) ; v1(52.85,75.79) 52.37,76.27 D5.1 ; D1#2.1 14.84,77.69 v1(14.25,78.28) ; D1#6.1 37.34,34.69 v1(36.75,35.28) ; v1(36.75,78.28) 37.34,77.69 D1.1 ; D5#6.1 29.87,76.27 v1(30.35,75.79) ; v1(59.25,78.28) 59.84,77.69 D1#3.1 ; D1#5.1 59.84,34.69 v1(59.25,35.28) ; v1(52.85,32.79) 52.37,33.27 D5#2.1 ; D5#4.1 7.37,76.27 v1(7.85,75.79) ; v1(30.35,32.79) 29.87,33.27 D5#3.1
VCC: length 18.7
  Bottom w0.3: D1#2.2 16.06,81.02 J4.11 ; J4#5.11 61.06,81.02 D1#3.2 ; J4#4.11 61.06,38.02 D1#5.2 ; D1.2 38.56,81.02 J4#3.11 ; J4#2.11 16.06,38.02 D1#4.2 ; J4#6.11 38.56,38.02 D1#6.2
VDD: length 68.1
  Bottom w0.3: J3#3.1 26.19,81.02 28.78,78.43 28.78,75.48 27.71,74.42 D3#4.1 ; J3#2.1 3.69,38.02 6.28,35.43 6.28,32.48 5.21,31.42 D3.1 ; D3#5.1 50.21,31.42 51.28,32.48 51.28,35.43 48.69,38.02 J3.1 ; J3#5.1 48.69,81.02 51.28,78.43 51.28,75.48 50.21,74.42 D3#3.1 ; D3#2.1 27.71,31.42 28.78,32.48 28.78,35.43 26.19,38.02 J3#6.1 ; J3#4.1 3.69,81.02 6.28,78.43 6.28,75.48 5.21,74.42 D3#6.1
/D+: length 44.8
  Top w0.2: 55.31,40.99 55.37,40.99 55.49,40.87 ; 55.31,40.99 54.68,40.99 54.49,41.18 J2#6.8 ; 55.31,40.99 55.49,41.18 J2#6.6 55.49,40.87 ; 10.31,83.99 10.5,84.18 J2#5.6 10.5,83.87 ; 10.31,83.99 10.37,83.99 10.5,83.87 ; 10.31,83.99 9.68,83.99 9.5,84.18 J2#5.8 ; v1(55.47,83.46) 55.49,83.48 55.49,83.87 ; J2#2.8 31.99,84.18 32.18,83.99 32.81,83.99 ; J2#3.8 31.99,41.18 32.18,40.99 32.81,40.99 ; v1(10.47,40.46) 10.5,40.48 10.5,40.87 ; 32.81,40.99 32.99,41.18 J2#3.6 32.99,40.87 ; 32.81,40.99 32.87,40.99 32.99,40.87 ; J2#4.8 9.5,41.18 9.68,40.99 10.31,40.99 ; v1(10.47,83.46) 10.5,83.48 10.5,83.87 ; 10.5,40.87 10.37,40.99 10.31,40.99 ; 10.5,40.87 J2#4.6 10.5,41.18 10.31,40.99 ; v1(55.47,40.46) 55.49,40.48 55.49,40.87 ; 55.31,83.99 55.37,83.99 55.49,83.87 ; 55.31,83.99 54.68,83.99 54.49,84.18 J2.8 ; 55.31,83.99 55.49,84.18 J2.6 55.49,83.87 ; v1(32.97,83.46) 32.99,83.48 32.99,83.87 ; 32.99,83.87 32.87,83.99 32.81,83.99 ; 32.99,83.87 J2#2.6 32.99,84.18 32.81,83.99 ; 32.99,40.87 32.99,40.48 v1(32.97,40.46)
  Bottom w0.2: U4#6.1 9.1,82.09 v1(10.47,83.46) ; U4#3.1 54.1,39.09 v1(55.47,40.46) ; v1(32.97,83.46) 31.6,82.09 U4.1 ; U4#2.1 54.1,82.09 v1(55.47,83.46) ; U4#5.1 9.1,39.09 v1(10.47,40.46) ; v1(32.97,40.46) 31.6,39.09 U4#4.1
/D-: length 43.4
  Top w0.2: v1(33.81,83.43) 33.81,83.83 33.49,84.14 J2#2.5 33.49,85.85 33.3,86.05 32.69,86.05 32.49,85.85 J2#2.7 ; v1(33.81,40.43) 33.81,40.83 33.49,41.14 J2#3.5 33.49,42.85 33.3,43.05 32.69,43.05 32.49,42.85 J2#3.7 ; J2#5.7 10,85.85 10.19,86.05 10.8,86.05 11,85.85 J2#5.5 11,84.14 11.31,83.83 v1(11.31,83.43) ; v1(11.31,40.43) 11.31,40.83 11,41.14 J2#4.5 11,42.85 10.8,43.05 10.19,43.05 10,42.85 J2#4.7 ; v1(56.31,40.43) 56.31,40.83 55.99,41.14 J2#6.5 55.99,42.85 55.8,43.05 55.19,43.05 54.99,42.85 J2#6.7 ; J2.7 54.99,85.85 55.19,86.05 55.8,86.05 55.99,85.85 J2.5 55.99,84.14 56.31,83.83 v1(56.31,83.43)
  Bottom w0.2: U4.2 32.87,82.49 v1(33.81,83.43) ; U4#3.2 55.37,39.49 v1(56.31,40.43) ; 10.37,81.16 10.37,82.49 v1(11.31,83.43) ; v1(56.31,83.43) 55.37,82.49 U4#2.2 ; v1(11.31,40.43) 10.37,39.49 10.37,38.16 ; v1(33.81,40.43) 32.87,39.49 U4#4.2
